# KiCad board SparkFun_GNSS_HAT+_panelized.kicad_pcb (continued)
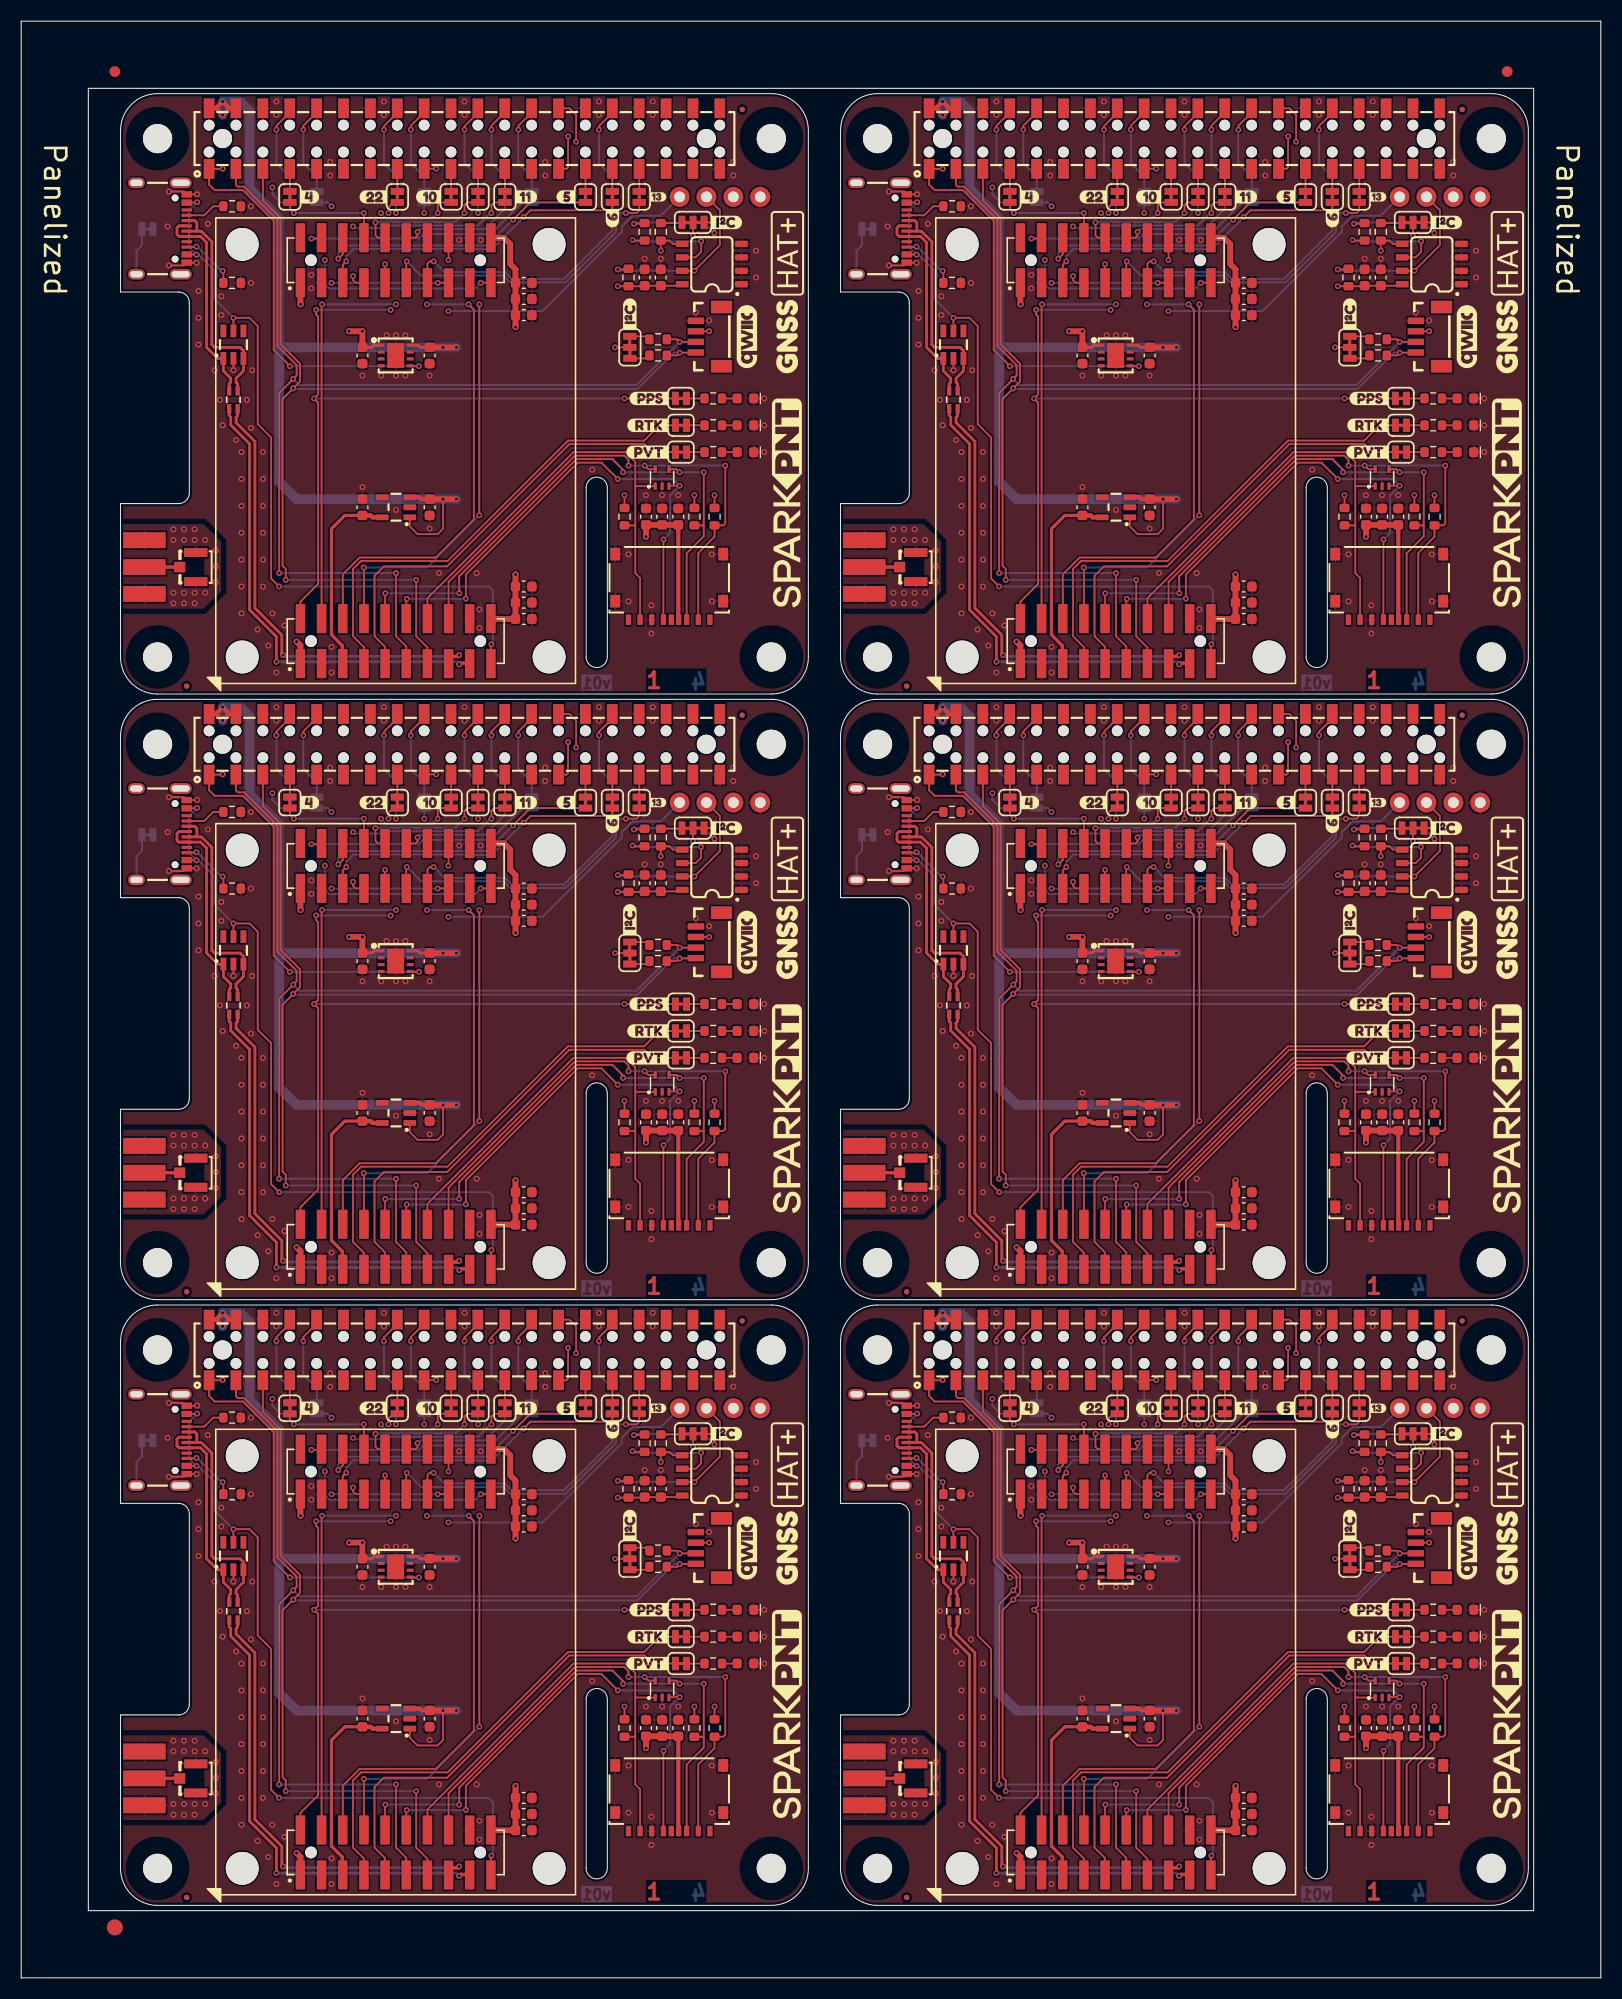
[diagram p0: board, top side]
## Routing (per net, layer and track width the routed paths; a pad name or vN(x,y) marks a point on that pad's centre or on a via; arc(x,y) is an arc through that point) (continued)
  Top w0.406: C4.2 105.86,139.78 105.69,139.95 104.77,139.95 ; C4#5.2 105.86,25.28 105.69,25.45 U3#6.3 ; U3#3.3 105.69,82.7 105.86,82.53 C4#3.2 ; U3#5.3 37.65,25.45 37.82,25.28 C4#2.2 ; C4#4.2 37.82,139.78 37.65,139.95 36.73,139.95 ; C4#6.2 37.82,82.53 37.65,82.7 U3#2.3 ; 19.67,119.47 v1(19.04,118.84) 18.41,119.47 J1.2 18.4,119.47 v1(19.04,120.11) 19.68,119.47 J1.4 19.67,119.47 ; 19.67,176.72 v1(19.04,176.09) 18.41,176.72 J1#2.2 18.4,176.72 v1(19.04,177.36) 19.68,176.72 J1#2.4 19.67,176.72 ; 87.72,62.22 v1(87.08,62.86) 86.44,62.22 J1#3.2 86.45,62.22 v1(87.08,61.59) 87.71,62.22 J1#3.4 87.72,62.22 ; J1#4.4 19.67,62.22 v1(19.04,61.59) 18.41,62.22 J1#4.2 18.4,62.22 v1(19.04,62.86) 19.68,62.22 J1#4.4 ; 87.71,119.47 v1(87.08,118.84) 86.45,119.47 J1#6.2 86.44,119.47 v1(87.08,120.11) 87.72,119.47 J1#6.4 87.71,119.47 ; J1#5.2 86.45,176.72 v1(87.08,176.09) 87.71,176.72 J1#5.4 87.72,176.72 v1(87.08,177.36) 86.44,176.72 J1#5.2
  Top w0.559: 38.44,96.86 38.44,96.87 v1(41.14,96.87) ; v1(41.14,39.62) 38.44,39.62 38.44,39.61 ; v1(109.18,96.87) 106.48,96.87 106.48,96.86 ; 106.48,82.56 106.52,82.52 v1(109.18,82.52) ; 106.48,139.81 106.52,139.77 v1(109.18,139.77) ; v1(41.14,139.77) 38.48,139.77 38.44,139.81 ; v1(41.14,25.27) 38.48,25.27 38.44,25.31 ; 38.44,82.56 38.48,82.52 v1(41.14,82.52) ; v1(109.18,25.27) 106.52,25.27 106.48,25.31 ; v1(109.18,154.12) 106.48,154.12 106.48,154.11 ; v1(41.14,154.12) 38.44,154.12 38.44,154.11 ; 106.48,39.61 106.48,39.62 v1(109.18,39.62)
  Bottom w0.914: 92.42,39.62 92.42,26.92 94.07,25.27 v1(109.18,25.27) ; 92.42,39.62 v1(109.18,39.62) ; 92.42,39.62 92.42,51.81 89.62,54.6 89.62,61.97 88.73,62.86 v1(87.08,62.86) v1(87.08,61.59) ; 92.42,154.12 v1(109.18,154.12) ; 92.42,154.12 92.42,141.42 94.07,139.77 v1(109.18,139.77) ; 92.42,154.12 92.42,166.31 89.62,169.1 89.62,176.47 88.73,177.36 v1(87.08,177.36) v1(87.08,176.09) ; v1(41.14,25.27) 26.03,25.27 24.38,26.92 24.38,39.62 ; 24.38,96.87 v1(41.14,96.87) ; 24.38,96.87 24.38,109.06 21.58,111.85 21.58,119.22 20.69,120.11 v1(19.04,120.11) v1(19.04,118.84) ; 24.38,96.87 24.38,84.17 26.03,82.52 v1(41.14,82.52) ; v1(109.18,82.52) 94.07,82.52 92.42,84.17 92.42,96.87 ; v1(19.04,176.09) v1(19.04,177.36) 20.69,177.36 21.58,176.47 21.58,169.1 24.38,166.31 24.38,154.12 ; 24.38,39.62 24.38,51.81 21.58,54.6 21.58,61.97 20.69,62.86 v1(19.04,62.86) v1(19.04,61.59) ; 24.38,39.62 v1(41.14,39.62) ; v1(87.08,118.84) v1(87.08,120.11) 88.73,120.11 89.62,119.22 89.62,111.85 92.42,109.06 92.42,96.87 ; 92.42,96.87 v1(109.18,96.87) ; 24.38,154.12 24.38,141.42 26.03,139.77 v1(41.14,139.77) ; 24.38,154.12 v1(41.14,154.12)
  vias: v1(39.87,154.12) v1(39.87,96.87) v1(39.87,39.62) v1(107.91,154.12) v1(107.91,96.87) v1(107.91,39.62)
GND: length 39.7
  Top w0.178: v1(84.61,104.87) 84.6,104.88 J6#4.GND 83.43,104.61 v1(82,104.61) ; v1(82,47.36) 83.43,47.36 J6#3.GND 84.6,47.62 v1(84.61,47.62) ; v1(13.96,168.85) 15.38,168.85 J6.GND 16.61,168.57 v1(16.63,168.59) ; v1(13.96,54.35) 15.38,54.35 J6#5.GND 16.61,54.08 v1(16.63,54.09) ; v1(16.57,47.62) 16.56,47.62 J6#5.GND 15.39,47.36 v1(13.96,47.36) ; v1(13.96,161.86) 15.39,161.86 15.65,162.12 16.56,162.12 v1(16.57,162.12) ; v1(84.61,162.12) 84.6,162.12 83.69,162.12 83.43,161.86 v1(82,161.86) ; v1(84.67,168.59) 84.65,168.57 J6#2.GND 83.42,168.85 v1(82,168.85) ; v1(84.67,54.09) 84.65,54.08 J6#3.GND 83.42,54.35 v1(82,54.35) ; v1(16.63,111.34) 16.61,111.33 J6#6.GND 15.38,111.6 v1(13.96,111.6) ; D1#5.2 v1(88.1,37.46) ; v1(16.57,104.87) 16.56,104.88 J6#6.GND 15.39,104.61 v1(13.96,104.61) ; D1#3.2 v1(20.06,94.71) ; D1#4.2 v1(88.1,151.96) ; D1.2 v1(20.06,37.46) ; v1(84.67,111.34) 84.65,111.33 J6#4.GND 83.42,111.6 v1(82,111.6) ; D1#6.2 v1(88.1,94.71) ; D1#2.2 v1(20.06,151.96)
  vias: v1(13.83,165.55) v1(13.83,108.3) v1(13.83,51.05) v1(14.39,136.92) v1(14.39,135.92) v1(14.39,130.92) v1(14.39,129.92) v1(14.39,79.67) v1(14.39,78.67) v1(14.39,73.67) v1(14.39,72.67) v1(14.39,22.42) v1(14.39,21.42) v1(14.39,16.42) v1(14.39,15.42) v1(15.39,136.92) v1(15.39,135.92) v1(15.39,130.92) v1(15.39,129.92) v1(15.39,79.67) v1(15.39,78.67) v1(15.39,73.67) v1(15.39,72.67) v1(15.39,22.42) v1(15.39,21.42) v1(15.39,16.42) v1(15.39,15.42) v1(16.39,136.92) v1(16.39,135.92) v1(16.39,130.92) v1(16.39,129.92) v1(16.39,79.67) v1(16.39,78.67) v1(16.39,73.67) v1(16.39,72.67) v1(16.39,22.42) v1(16.39,21.42) v1(16.39,16.42) v1(16.39,15.42) v1(16.76,159.45) v1(16.76,156.91) v1(16.76,154.37) v1(16.76,102.2) v1(16.76,99.66) v1(16.76,97.12) v1(16.76,44.95) v1(16.76,42.41) v1(16.76,39.87) v1(17.39,135.92) v1(17.39,130.92) v1(17.39,78.67) v1(17.39,73.67) v1(17.39,21.42) v1(17.39,16.42) v1(17.64,165.8) v1(17.64,108.55) v1(17.64,51.3) v1(18.28,151.96) v1(18.28,94.71) v1(18.28,37.46) v1(18.39,134.92) v1(18.39,133.42) v1(18.39,131.92) v1(18.39,77.67) v1(18.39,76.17) v1(18.39,74.67) v1(18.39,20.42) v1(18.39,18.92) v1(18.39,17.42) v1(18.79,149.16) v1(18.79,91.91) v1(18.79,34.66) v1(18.91,158.94) v1(18.91,157.16) v1(18.91,101.69) v1(18.91,99.91) v1(18.91,44.44) v1(18.91,42.66) v1(19.04,146.75) v1(19.04,89.5) v1(19.04,32.25) v1(20.31,145.35) v1(20.31,88.1) v1(20.31,30.85) v1(20.82,144.21) v1(20.82,141.67) v1(20.82,139.13) v1(20.82,136.59) v1(20.82,134.05) v1(20.82,131.51) v1(20.82,128.97) v1(20.82,86.96) v1(20.82,84.42) v1(20.82,81.88) v1(20.82,79.34) v1(20.82,76.8) v1(20.82,74.26) v1(20.82,71.72) v1(20.82,29.71) v1(20.82,27.17) v1(20.82,24.63) v1(20.82,22.09) v1(20.82,19.55) v1(20.82,17.01) v1(20.82,14.47) v1(21.33,149.16) v1(21.33,91.91) v1(21.33,34.66) v1(21.71,167.45) v1(21.71,160.21) v1(21.71,146.5) v1(21.71,110.2) v1(21.71,102.96) v1(21.71,89.25) v1(21.71,52.95) v1(21.71,45.71) v1(21.71,32) v1(21.84,151.96) v1(21.84,94.71) v1(21.84,37.46) v1(22.34,127.45) v1(22.34,70.2) v1(22.34,12.95) v1(22.85,144.21) v1(22.85,141.67) v1(22.85,139.13) v1(22.85,136.59) v1(22.85,134.05) v1(22.85,131.51) v1(22.85,86.96) v1(22.85,84.42) v1(22.85,81.88) v1(22.85,79.34) v1(22.85,76.8) v1(22.85,74.26) v1(22.85,29.71) v1(22.85,27.17) v1(22.85,24.63) v1(22.85,22.09) v1(22.85,19.55) v1(22.85,17.01) v1(23.36,125.92) v1(23.36,68.67) v1(23.36,11.42) v1(23.74,128.97) v1(23.74,71.72) v1(23.74,14.47) v1(24.12,177.36) v1(24.12,176.09) v1(24.12,123.38) v1(24.12,120.11) v1(24.12,118.84) v1(24.12,66.13) v1(24.12,62.86) v1(24.12,61.59) v1(24.12,8.88) v1(24.88,127.83) v1(24.88,70.58) v1(24.88,13.33) v1(27.42,160.97) v1(27.42,159.7) v1(27.42,103.72) v1(27.42,102.45) v1(27.42,46.47) v1(27.42,45.2) v1(29.2,171.64) v1(29.2,170.37) v1(29.2,114.39) v1(29.2,113.12) v1(29.2,57.14) v1(29.2,55.87) v1(29.33,125.8) v1(29.33,123.38) v1(29.33,68.55) v1(29.33,66.13) v1(29.33,11.3) v1(29.33,8.88) v1(32.25,151.45) v1(32.25,140.91) v1(32.25,94.2) v1(32.25,83.66) v1(32.25,36.95) v1(32.25,26.41) v1(34.03,151.45) v1(34.03,94.2) v1(34.03,36.95) v1(34.28,177.36) v1(34.28,176.09) v1(34.28,120.11) v1(34.28,118.84) v1(34.28,62.86) v1(34.28,61.59) v1(34.54,155.26) v1(34.54,98.01) v1(34.54,40.76) v1(35.42,155.26) v1(35.42,151.45) v1(35.42,138.75) v1(35.42,98.01) v1(35.42,94.2) v1(35.42,81.5) v1(35.42,40.76) v1(35.42,36.95) v1(35.42,24.25) v1(36.31,155.26) v1(36.31,151.45) v1(36.31,98.01) v1(36.31,94.2) v1(36.31,40.76) v1(36.31,36.95) v1(38.6,151.45) v1(38.6,136.98) v1(38.6,94.2) v1(38.6,79.73) v1(38.6,36.95) v1(38.6,22.48) v1(39.49,132.78) v1(39.49,75.53) v1(39.49,18.28) v1(41.39,164.28) v1(41.39,107.03) v1(41.39,49.78) v1(41.9,177.36) v1(41.9,176.09) v1(41.9,120.11) v1(41.9,118.84) v1(41.9,62.86) v1(41.9,61.59) v1(43.04,132.78) v1(43.04,75.53) v1(43.04,18.28) v1(43.3,129.35) v1(43.3,127.57) v1(43.3,72.1) v1(43.3,70.32) v1(43.3,14.85) v1(43.3,13.07) v1(43.43,164.28) v1(43.43,107.03) v1(43.43,49.78) v1(49.52,171.64) v1(49.52,170.37) v1(49.52,114.39) v1(49.52,113.12) v1(49.52,57.14) v1(49.52,55.87) v1(53.97,142.56) v1(53.97,85.31) v1(53.97,28.06) v1(54.6,177.36) v1(54.6,176.09) v1(54.6,120.11) v1(54.6,118.84) v1(54.6,62.86) v1(54.6,61.59) v1(57.4,134.56) v1(57.4,130.11) v1(57.4,77.31) v1(57.4,72.86) v1(57.4,20.06) v1(57.4,15.61) v1(58.92,162.5) v1(58.92,105.25) v1(58.92,48) v1(59.05,140.15) v1(59.05,82.9) v1(59.05,25.65) v1(59.25,143.9) v1(59.25,86.65) v1(59.25,29.4) v1(59.56,129.73) v1(59.56,127.06) v1(59.56,72.48) v1(59.56,69.81) v1(59.56,15.23) v1(59.56,12.56) v1(59.68,177.36) v1(59.68,176.09) v1(59.68,120.11) v1(59.68,118.84) v1(59.68,62.86) v1(59.68,61.59) v1(60.44,162.5) v1(60.44,105.25) v1(60.44,48) v1(60.57,140.15) v1(60.57,82.9) v1(60.57,25.65) v1(62.09,140.15) v1(62.09,82.9) v1(62.09,25.65) v1(63.75,157.42) v1(63.75,100.17) v1(63.75,42.92) v1(65.02,156.66) v1(65.02,99.41) v1(65.02,42.16) v1(65.27,134.56) v1(65.27,130.11) v1(65.27,77.31) v1(65.27,72.86) v1(65.27,20.06) v1(65.27,15.61) v1(67.3,171.64) v1(67.3,170.37) v1(67.3,114.39) v1(67.3,113.12) v1(67.3,57.14) v1(67.3,55.87) v1(69.46,163.26) v1(69.46,160.72) v1(69.46,106.01) v1(69.46,103.47) v1(69.46,48.76) v1(69.46,46.22) v1(70.22,149.29) v1(70.22,146.75) v1(70.22,144.21) v1(70.22,92.04) v1(70.22,89.5) v1(70.22,86.96) v1(70.22,34.79) v1(70.22,32.25) v1(70.22,29.71) v1(81.88,165.55) v1(81.88,108.3) v1(81.88,51.05) v1(82.43,136.92) v1(82.43,135.92) v1(82.43,130.92) v1(82.43,129.92) v1(82.43,79.67) v1(82.43,78.67) v1(82.43,73.67) v1(82.43,72.67) v1(82.43,22.42) v1(82.43,21.42) v1(82.43,16.42) v1(82.43,15.42) v1(83.43,136.92) v1(83.43,135.92) v1(83.43,130.92) v1(83.43,129.92) v1(83.43,79.67) v1(83.43,78.67) v1(83.43,73.67) v1(83.43,72.67) v1(83.43,22.42) v1(83.43,21.42) v1(83.43,16.42) v1(83.43,15.42) v1(84.43,136.92) v1(84.43,135.92) v1(84.43,130.92) v1(84.43,129.92) v1(84.43,79.67) v1(84.43,78.67) v1(84.43,73.67) v1(84.43,72.67) v1(84.43,22.42) v1(84.43,21.42) v1(84.43,16.42) v1(84.43,15.42) v1(84.8,159.45) v1(84.8,156.91) v1(84.8,154.37) v1(84.8,102.2) v1(84.8,99.66) v1(84.8,97.12) v1(84.8,44.95) v1(84.8,42.41) v1(84.8,39.87) v1(85.43,135.92) v1(85.43,130.92) v1(85.43,78.67) v1(85.43,73.67) v1(85.43,21.42) v1(85.43,16.42) v1(85.69,165.8) v1(85.69,108.55) v1(85.69,51.3) v1(86.32,151.96) v1(86.32,94.71) v1(86.32,37.46) v1(86.43,134.92) v1(86.43,133.42) v1(86.43,131.92) v1(86.43,77.67) v1(86.43,76.17) v1(86.43,74.67) v1(86.43,20.42) v1(86.43,18.92) v1(86.43,17.42) v1(86.83,149.16) v1(86.83,91.91) v1(86.83,34.66) v1(86.95,158.94) v1(86.95,157.16) v1(86.95,101.69) v1(86.95,99.91) v1(86.95,44.44) v1(86.95,42.66) v1(87.08,146.75) v1(87.08,89.5) v1(87.08,32.25) v1(88.35,145.35) v1(88.35,88.1) v1(88.35,30.85) v1(88.86,144.21) v1(88.86,141.67) v1(88.86,139.13) v1(88.86,136.59) v1(88.86,134.05) v1(88.86,131.51) v1(88.86,128.97) v1(88.86,86.96) v1(88.86,84.42) v1(88.86,81.88) v1(88.86,79.34) v1(88.86,76.8) v1(88.86,74.26) v1(88.86,71.72) v1(88.86,29.71) v1(88.86,27.17) v1(88.86,24.63) v1(88.86,22.09) v1(88.86,19.55) v1(88.86,17.01) v1(88.86,14.47) v1(89.37,149.16) v1(89.37,91.91) v1(89.37,34.66) v1(89.75,167.45) v1(89.75,160.21) v1(89.75,146.5) v1(89.75,110.2) v1(89.75,102.96) v1(89.75,89.25) v1(89.75,52.95) v1(89.75,45.71) v1(89.75,32) v1(89.88,151.96) v1(89.88,94.71) v1(89.88,37.46) v1(90.38,127.45) v1(90.38,70.2) v1(90.38,12.95) v1(90.89,144.21) v1(90.89,141.67) v1(90.89,139.13) v1(90.89,136.59) v1(90.89,134.05) v1(90.89,131.51) v1(90.89,86.96) v1(90.89,84.42) v1(90.89,81.88) v1(90.89,79.34) v1(90.89,76.8) v1(90.89,74.26) v1(90.89,29.71) v1(90.89,27.17) v1(90.89,24.63) v1(90.89,22.09) v1(90.89,19.55) v1(90.89,17.01) v1(91.4,125.92) v1(91.4,68.67) v1(91.4,11.42) v1(91.78,128.97) v1(91.78,71.72) v1(91.78,14.47) v1(92.16,177.36) v1(92.16,176.09) v1(92.16,123.38) v1(92.16,120.11) v1(92.16,118.84) v1(92.16,66.13) v1(92.16,62.86) v1(92.16,61.59) v1(92.16,8.88) v1(92.92,127.83) v1(92.92,70.58) v1(92.92,13.33) v1(95.46,160.97) v1(95.46,159.7) v1(95.46,103.72) v1(95.46,102.45) v1(95.46,46.47) v1(95.46,45.2) v1(97.24,171.64) v1(97.24,170.37) v1(97.24,114.39) v1(97.24,113.12) v1(97.24,57.14) v1(97.24,55.87) v1(97.37,125.8) v1(97.37,123.38) v1(97.37,68.55) v1(97.37,66.13) v1(97.37,11.3) v1(97.37,8.88) v1(100.29,151.45) v1(100.29,140.91) v1(100.29,94.2) v1(100.29,83.66) v1(100.29,36.95) v1(100.29,26.41) v1(102.07,151.45) v1(102.07,94.2) v1(102.07,36.95) v1(102.32,177.36) v1(102.32,176.09) v1(102.32,120.11) v1(102.32,118.84) v1(102.32,62.86) v1(102.32,61.59) v1(102.58,155.26) v1(102.58,98.01) v1(102.58,40.76) v1(103.47,155.26) v1(103.47,151.45) v1(103.47,138.75) v1(103.47,98.01) v1(103.47,94.2) v1(103.47,81.5) v1(103.47,40.76) v1(103.47,36.95) v1(103.47,24.25) v1(104.35,155.26) v1(104.35,151.45) v1(104.35,98.01) v1(104.35,94.2) v1(104.35,40.76) v1(104.35,36.95) v1(106.64,151.45) v1(106.64,136.98) v1(106.64,94.2) v1(106.64,79.73) v1(106.64,36.95) v1(106.64,22.48) v1(107.53,132.78) v1(107.53,75.53) v1(107.53,18.28) v1(109.43,164.28) v1(109.43,107.03) v1(109.43,49.78) v1(109.94,177.36) v1(109.94,176.09) v1(109.94,120.11) v1(109.94,118.84) v1(109.94,62.86) v1(109.94,61.59) v1(111.08,132.78) v1(111.08,75.53) v1(111.08,18.28) v1(111.34,129.35) v1(111.34,127.57) v1(111.34,72.1) v1(111.34,70.32) v1(111.34,14.85) v1(111.34,13.07) v1(111.47,164.28) v1(111.47,107.03) v1(111.47,49.78) v1(117.56,171.64) v1(117.56,170.37) v1(117.56,114.39) v1(117.56,113.12) v1(117.56,57.14) v1(117.56,55.87) v1(122.01,142.56) v1(122.01,85.31) v1(122.01,28.06) v1(122.64,177.36) v1(122.64,176.09) v1(122.64,120.11) v1(122.64,118.84) v1(122.64,62.86) v1(122.64,61.59) v1(125.44,134.56) v1(125.44,130.11) v1(125.44,77.31) v1(125.44,72.86) v1(125.44,20.06) v1(125.44,15.61) v1(126.96,162.5) v1(126.96,105.25) v1(126.96,48) v1(127.09,140.15) v1(127.09,82.9) v1(127.09,25.65) v1(127.29,143.9) v1(127.29,86.65) v1(127.29,29.4) v1(127.59,129.73) v1(127.59,127.06) v1(127.59,72.48) v1(127.59,69.81) v1(127.59,15.23) v1(127.59,12.56) v1(127.72,177.36) v1(127.72,176.09) v1(127.72,120.11) v1(127.72,118.84) v1(127.72,62.86) v1(127.72,61.59) v1(128.48,162.5) v1(128.48,105.25) v1(128.48,48) v1(128.61,140.15) v1(128.61,82.9) v1(128.61,25.65) v1(130.13,140.15) v1(130.13,82.9) v1(130.13,25.65) v1(131.79,157.42) v1(131.79,100.17) v1(131.79,42.92) v1(133.06,156.66) v1(133.06,99.41) v1(133.06,42.16) v1(133.31,134.56) v1(133.31,130.11) v1(133.31,77.31) v1(133.31,72.86) v1(133.31,20.06) v1(133.31,15.61) v1(135.34,171.64) v1(135.34,170.37) v1(135.34,114.39) v1(135.34,113.12) v1(135.34,57.14) v1(135.34,55.87) v1(137.5,163.26) v1(137.5,160.72) v1(137.5,106.01) v1(137.5,103.47) v1(137.5,48.76) v1(137.5,46.22) v1(138.26,149.29) v1(138.26,146.75) v1(138.26,144.21) v1(138.26,92.04) v1(138.26,89.5) v1(138.26,86.96) v1(138.26,34.79) v1(138.26,32.25) v1(138.26,29.71)
CTS2: length 132.4
  Top w0.178: J4#2.7 31.6,45.73 31.36,45.97 v1(31.36,46.35) ; J4.7 31.6,102.97 31.36,103.22 v1(31.36,103.6) ; v1(44.44,52.32) 44.44,53.08 44.68,53.32 JP17#2.2 ; J4#6.7 99.64,102.97 99.4,103.22 v1(99.4,103.6) ; JP17#6.2 112.72,167.82 112.48,167.58 v1(112.48,166.82) ; v1(112.48,52.32) 112.48,53.08 112.72,53.32 JP17.2 ; J4#4.7 99.64,160.22 99.4,160.47 v1(99.4,160.85) ; JP17#5.2 112.72,110.57 112.48,110.33 v1(112.48,109.57) ; v1(31.36,160.85) 31.36,160.47 31.6,160.22 J4#3.7 ; JP17#4.2 44.68,110.57 44.44,110.33 v1(44.44,109.57) ; J4#5.7 99.64,45.73 99.4,45.97 v1(99.4,46.35) ; v1(44.44,166.82) 44.44,167.58 44.68,167.82 JP17#3.2
  In2.Cu w0.178: v1(99.4,165.55) v1(99.4,160.85) ; v1(99.4,51.05) v1(99.4,46.35) ; v1(99.4,108.3) v1(99.4,103.6) ; v1(31.36,108.3) v1(31.36,103.6) ; v1(31.36,51.05) v1(31.36,46.35) ; v1(31.36,165.55) v1(31.36,160.85)
  Bottom w0.178: v1(112.48,166.82) 112.38,166.82 111.2,165.63 102.41,165.63 102.18,165.41 99.54,165.41 v1(99.4,165.55) ; v1(44.44,109.57) 44.34,109.57 43.16,108.38 34.37,108.38 34.14,108.16 31.5,108.16 v1(31.36,108.3) ; v1(112.48,109.57) 112.38,109.57 111.2,108.38 102.41,108.38 102.18,108.16 99.54,108.16 v1(99.4,108.3) ; v1(112.48,52.32) 112.38,52.32 111.2,51.13 102.41,51.13 102.18,50.91 99.54,50.91 v1(99.4,51.05) ; v1(31.36,165.55) 31.5,165.41 34.14,165.41 34.37,165.63 43.16,165.63 44.34,166.82 v1(44.44,166.82) ; v1(31.36,51.05) 31.5,50.91 34.14,50.91 34.37,51.13 43.16,51.13 44.34,52.32 v1(44.44,52.32)
CTS3: length 139.4
  Top w0.178: J4#6.4 96.36,107.15 v1(95.46,107.15) ; v1(95.46,49.9) 96.36,49.9 J4#5.4 ; v1(27.42,107.15) 28.32,107.15 J4.4 ; v1(27.42,164.4) 28.32,164.4 J4#3.4 ; J4#4.4 96.36,164.4 v1(95.46,164.4) ; v1(27.42,49.9) 28.32,49.9 J4#2.4
  Bottom w0.178: JP13#5.2 115.39,110.57 112.39,107.57 106.02,107.57 105.6,107.15 v1(95.46,107.15) ; v1(27.42,107.15) 37.56,107.15 37.98,107.57 44.35,107.57 47.35,110.57 JP13#3.2 ; v1(27.42,49.9) 37.56,49.9 37.98,50.32 44.35,50.32 47.35,53.32 JP13#2.2 ; JP13#6.2 115.39,53.32 112.39,50.32 106.02,50.32 105.6,49.9 v1(95.46,49.9) ; JP13#4.2 47.35,167.82 44.35,164.82 37.98,164.82 37.56,164.4 v1(27.42,164.4) ; v1(95.46,164.4) 105.6,164.4 106.02,164.82 112.39,164.82 115.39,167.82 JP13.2
D+: length 265.3
  Top w0.267: v1(92.16,124.4) 92.16,126.76 89.62,129.3 89.62,145 87.84,146.78 87.84,147.51 87.7,147.66 TR1#3.4 ; TR1#5.4 19.66,90.41 19.8,90.26 19.8,89.53 21.58,87.75 21.58,72.05 24.12,69.51 v1(24.12,67.15) ; TR1#4.4 19.66,147.66 19.8,147.51 19.8,146.78 21.58,145 21.58,129.3 24.12,126.76 v1(24.12,124.4) ; v1(92.16,67.15) 92.16,69.51 89.62,72.05 89.62,87.75 87.84,89.53 87.84,90.26 87.7,90.41 TR1#6.4 ; TR1#2.4 19.66,33.16 19.8,33.01 19.8,32.28 21.58,30.5 21.58,14.8 24.12,12.26 v1(24.12,9.9) ; v1(92.16,9.9) 92.16,12.26 89.62,14.8 89.62,30.5 87.84,32.28 87.84,33.01 87.7,33.16 TR1.4
  Top w0.33: J2#4.17 42.34,124.27 41.52,124.27 v1(41.39,124.14) ; v1(41.39,66.89) 41.52,67.02 42.34,67.02 42.39,66.98 ; v1(109.43,9.64) 109.56,9.77 110.38,9.77 J2#6.17 ; J2#3.17 42.34,9.77 41.52,9.77 v1(41.39,9.64) ; v1(109.43,124.14) 109.56,124.27 110.38,124.27 J2.17 ; 110.43,66.98 110.38,67.02 109.56,67.02 v1(109.43,66.89)
  Bottom w0.267: v1(109.43,66.89) 109.18,67.15 v1(92.16,67.15) ; v1(92.16,124.4) 109.18,124.4 v1(109.43,124.14) ; v1(24.12,67.15) 41.14,67.15 v1(41.39,66.89) ; v1(92.16,9.9) 109.18,9.9 v1(109.43,9.64) ; v1(41.39,9.64) 41.14,9.9 v1(24.12,9.9) ; v1(24.12,124.4) 41.14,124.4 v1(41.39,124.14)
D-: length 262
  Top w0.267: TR1#6.2 88.5,90.41 88.35,90.26 88.35,89.75 90.13,87.98 90.13,72.23 92.67,69.69 92.67,67.91 v1(92.8,67.78) ; TR1#5.2 20.46,90.41 20.31,90.26 20.31,89.75 22.09,87.98 22.09,72.23 24.63,69.69 24.63,67.91 v1(24.76,67.78) ; v1(92.8,125.03) 92.67,125.16 92.67,126.94 90.13,129.48 90.13,145.23 88.35,147 88.35,147.51 88.5,147.66 TR1#3.2 ; TR1#4.2 20.46,147.66 20.31,147.51 20.31,147 22.09,145.23 22.09,129.48 24.63,126.94 24.63,125.16 v1(24.76,125.03) ; v1(92.8,10.53) 92.67,10.66 92.67,12.44 90.13,14.98 90.13,30.73 88.35,32.5 88.35,33.01 88.5,33.16 TR1.2 ; TR1#2.2 20.46,33.16 20.31,33.01 20.31,32.5 22.09,30.73 22.09,14.98 24.63,12.44 24.63,10.66 v1(24.76,10.53)
  Top w0.33: J2#3.15 40.39,10.41 41.27,10.41 v1(41.39,10.53) ; J2.15 108.43,124.91 109.31,124.91 v1(109.43,125.03) ; v1(109.43,10.53) 109.31,10.41 108.43,10.41 J2#6.15 ; 108.43,66.98 108.43,67.66 109.31,67.66 v1(109.43,67.78) ; v1(41.39,67.78) 41.27,67.66 40.39,67.66 40.39,66.98 ; J2#4.15 40.39,124.91 41.27,124.91 v1(41.39,125.03)
  Bottom w0.267: v1(92.8,10.53) 92.92,10.41 109.31,10.41 v1(109.43,10.53) ; v1(24.76,10.53) 24.88,10.41 41.27,10.41 v1(41.39,10.53) ; v1(92.8,125.03) 92.92,124.91 109.31,124.91 v1(109.43,125.03) ; v1(24.76,67.78) 24.88,67.66 41.27,67.66 v1(41.39,67.78) ; v1(24.76,125.03) 24.88,124.91 41.27,124.91 v1(41.39,125.03) ; v1(92.8,67.78) 92.92,67.66 109.31,67.66 v1(109.43,67.78)
EVENTA: length 317.7
  Top w0.178: 98.43,128.47 98.43,132.66 100.03,134.25 107.22,134.25 110.83,137.86 110.82,137.87 110.82,157.69 v1(110.32,158.18) ; J2#2.6 30.39,75.41 31.99,77 39.18,77 42.79,80.61 42.78,80.62 42.78,100.44 v1(42.28,100.93) ; v1(42.28,158.18) 42.78,157.69 42.78,137.87 42.79,137.86 39.18,134.25 31.99,134.25 30.39,132.66 30.39,128.47 ; J2#5.6 98.43,75.41 100.03,77 107.22,77 110.83,80.61 110.82,80.62 110.82,100.44 v1(110.32,100.93) ; v1(42.28,43.68) 42.78,43.19 42.78,23.37 42.79,23.36 39.18,19.75 31.99,19.75 30.39,18.16 J2#3.6 ; v1(110.32,43.68) 110.82,43.19 110.82,23.37 110.83,23.36 107.22,19.75 100.03,19.75 98.43,18.16 J2#6.6
  In2.Cu w0.178: v1(38.35,43.68) 38.35,52.06 v1(38.09,52.32) ; v1(106.13,109.57) 106.39,109.31 v1(106.39,100.93) ; v1(106.13,52.32) 106.39,52.06 v1(106.39,43.68) ; v1(38.09,109.57) 38.35,109.31 v1(38.35,100.93) ; v1(106.39,158.18) 106.39,166.56 v1(106.13,166.82) ; v1(38.09,166.82) 38.35,166.56 v1(38.35,158.18)
  Bottom w0.178: v1(110.32,158.18) v1(106.39,158.18) ; v1(42.28,158.18) v1(38.35,158.18) ; v1(110.32,43.68) v1(106.39,43.68) ; v1(106.13,109.57) JP8#3.1 ; v1(106.13,166.82) JP8#4.1 ; v1(38.09,109.57) JP8#2.1 ; v1(106.13,52.32) JP8#5.1 ; v1(110.32,100.93) v1(106.39,100.93) ; v1(42.28,43.68) v1(38.35,43.68) ; v1(38.09,166.82) JP8.1 ; v1(42.28,100.93) v1(38.35,100.93) ; v1(38.09,52.32) JP8#6.1
EVENTB: length 289.6
  Top w0.178: J2#5.8 100.43,76.04 v1(100.42,76.05) ; v1(32.38,133.3) 32.39,133.29 J2#4.8 ; v1(43.3,80.99) v1(43.3,100.93) ; v1(100.42,133.3) 100.43,133.29 J2.8 ; v1(111.34,138.24) v1(111.34,158.18) ; J2#3.8 32.39,18.79 v1(32.38,18.8) ; J2#6.8 100.43,18.79 v1(100.42,18.8) ; v1(111.34,80.99) v1(111.34,100.93) ; v1(43.3,138.24) v1(43.3,158.18) ; v1(43.3,23.74) v1(43.3,43.68) ; J2#2.8 32.39,76.04 v1(32.38,76.05) ; v1(111.34,23.74) v1(111.34,43.68)
  In2.Cu w0.178: v1(43.17,166.82) 42.16,165.8 42.16,159.32 v1(43.3,158.18) ; v1(111.34,43.68) 110.2,44.82 110.2,51.3 v1(111.21,52.32) ; v1(111.34,158.18) 110.2,159.32 110.2,165.8 v1(111.21,166.82) ; v1(43.3,100.93) 42.16,102.07 42.16,108.55 v1(43.17,109.57) ; v1(43.17,52.32) 42.16,51.3 42.16,44.82 v1(43.3,43.68) ; v1(111.21,109.57) 110.2,108.55 110.2,102.07 v1(111.34,100.93)
  Bottom w0.178: v1(100.42,133.3) 106.4,133.3 v1(111.34,138.24) ; v1(111.34,23.74) 106.4,18.8 v1(100.42,18.8) ; v1(111.21,109.57) JP9.1 ; v1(111.21,166.82) JP9#5.1 ; v1(111.34,80.99) 106.4,76.05 v1(100.42,76.05) ; v1(43.3,23.74) 38.36,18.8 v1(32.38,18.8) ; v1(43.3,138.24) 38.36,133.3 v1(32.38,133.3) ; v1(43.17,109.57) JP9#4.1 ; v1(111.21,52.32) JP9#3.1 ; v1(32.38,76.05) 38.36,76.05 v1(43.3,80.99) ; v1(43.17,166.82) JP9#2.1 ; v1(43.17,52.32) JP9#6.1
ID_SC: length 212.5
  Top w0.178: v1(64.25,164.15) 64.25,163.13 63.75,162.62 U1#5.6 ; v1(57.78,164.28) 57.84,164.21 R1#2.1 ; v1(125.82,107.03) 125.88,106.96 126.96,106.96 ; U1#4.6 131.79,105.38 132.29,105.88 v1(132.29,106.9) ; U1.6 63.75,105.38 64.25,105.88 v1(64.25,106.9) ; 58.92,49.71 57.84,49.71 v1(57.78,49.78) ; J1#2.28 51.81,176.72 52.44,176.09 v1(52.44,173.55) ; v1(125.82,164.28) 125.88,164.21 R1#5.1 ; U1#3.6 63.75,48.12 64.25,48.63 v1(64.25,49.65) ; v1(132.29,49.65) 132.29,48.63 131.79,48.12 U1#6.6 ; J1#3.28 119.85,62.22 120.48,61.59 v1(120.48,59.05) ; v1(52.44,116.3) 52.44,118.84 51.81,119.47 J1.28 ; J1#4.28 51.81,62.22 52.44,61.59 v1(52.44,59.05) ; 58.92,106.96 57.84,106.96 v1(57.78,107.03) ; v1(125.82,49.78) 125.88,49.71 126.96,49.71 ; J1#6.28 119.85,119.47 120.48,118.84 v1(120.48,116.3) ; J1#5.28 119.85,176.72 120.48,176.09 v1(120.48,173.55) ; U1#2.6 131.79,162.62 132.29,163.13 v1(132.29,164.15)
  In2.Cu w0.178: v1(120.48,59.05) 129.5,59.05 130.01,58.54 130.01,56.38 128.23,54.6 128.23,52.19 v1(125.82,49.78) ; v1(52.44,59.05) 61.46,59.05 61.97,58.54 61.97,56.38 60.19,54.6 60.19,52.19 v1(57.78,49.78) ; v1(57.78,164.28) 60.19,166.69 60.19,169.1 61.97,170.88 61.97,173.04 61.46,173.55 v1(52.44,173.55) ; v1(125.82,107.03) 128.23,109.44 128.23,111.85 130.01,113.63 130.01,115.79 129.5,116.3 v1(120.48,116.3) ; v1(120.48,173.55) 129.5,173.55 130.01,173.04 130.01,170.88 128.23,169.1 128.23,166.69 v1(125.82,164.28) ; v1(57.78,107.03) 60.19,109.44 60.19,111.85 61.97,113.63 61.97,115.79 61.46,116.3 v1(52.44,116.3)
  Bottom w0.178: v1(132.29,49.65) 132.28,49.64 125.96,49.64 v1(125.82,49.78) ; v1(64.25,49.65) 64.24,49.64 57.92,49.64 v1(57.78,49.78) ; v1(64.25,106.9) 64.24,106.89 57.92,106.89 v1(57.78,107.03) ; v1(132.29,164.15) 132.28,164.14 125.96,164.14 v1(125.82,164.28) ; v1(125.82,107.03) 125.96,106.89 132.28,106.89 v1(132.29,106.9) ; v1(57.78,164.28) 57.92,164.14 64.24,164.14 v1(64.25,164.15)
ID_SD: length 172.4
  Top w0.178: v1(51.68,59.56) 51.68,56.63 51.53,56.48 J1#4.27 ; v1(119.72,174.06) 119.72,171.13 119.57,170.99 J1#5.27 ; v1(128.48,106.01) 128.48,106.96 129.31,106.96 129.63,106.65 U1#4.5 ; J1#6.27 119.57,113.73 119.72,113.88 v1(119.72,116.81) ; v1(128.48,163.26) R2#2.1 129.31,164.21 129.63,163.9 U1#2.5 ; v1(128.48,48.76) 128.48,49.71 129.31,49.71 129.63,49.39 130.51,49.39 ; J1#2.27 51.53,170.99 51.68,171.13 v1(51.68,174.06) ; J1.27 51.53,113.73 51.68,113.88 v1(51.68,116.81) ; v1(119.72,59.56) 119.72,56.63 119.57,56.48 J1#3.27 ; v1(60.44,106.01) 60.44,106.96 61.27,106.96 61.59,106.65 U1.5 ; v1(60.44,163.26) R2.1 61.27,164.21 61.59,163.9 U1#5.5 ; v1(60.44,48.76) 60.44,49.71 61.27,49.71 61.59,49.39 62.47,49.39
  In2.Cu w0.178: v1(128.48,106.01) 128.48,109.19 128.61,109.31 128.61,111.72 130.39,113.5 130.39,115.92 129.49,116.82 119.73,116.82 v1(119.72,116.81) ; v1(128.48,163.26) 128.48,166.44 128.61,166.56 128.61,168.97 130.39,170.75 130.39,173.17 129.49,174.07 119.73,174.07 v1(119.72,174.06) ; v1(51.68,116.81) 51.69,116.82 61.45,116.82 62.35,115.92 62.35,113.5 60.57,111.72 60.57,109.31 60.44,109.19 v1(60.44,106.01) ; v1(60.44,48.76) 60.44,51.94 60.57,52.06 60.57,54.48 62.35,56.25 62.35,58.67 61.45,59.57 51.69,59.57 v1(51.68,59.56) ; v1(119.72,59.56) 119.73,59.57 129.49,59.57 130.39,58.67 130.39,56.25 128.61,54.48 128.61,52.06 128.48,51.94 v1(128.48,48.76) ; v1(51.68,174.06) 51.69,174.07 61.45,174.07 62.35,173.17 62.35,170.75 60.57,168.97 60.57,166.56 60.44,166.44 v1(60.44,163.26)
